# Altium PCB 键盘.PcbDoc (part 3 of 10) (continued)
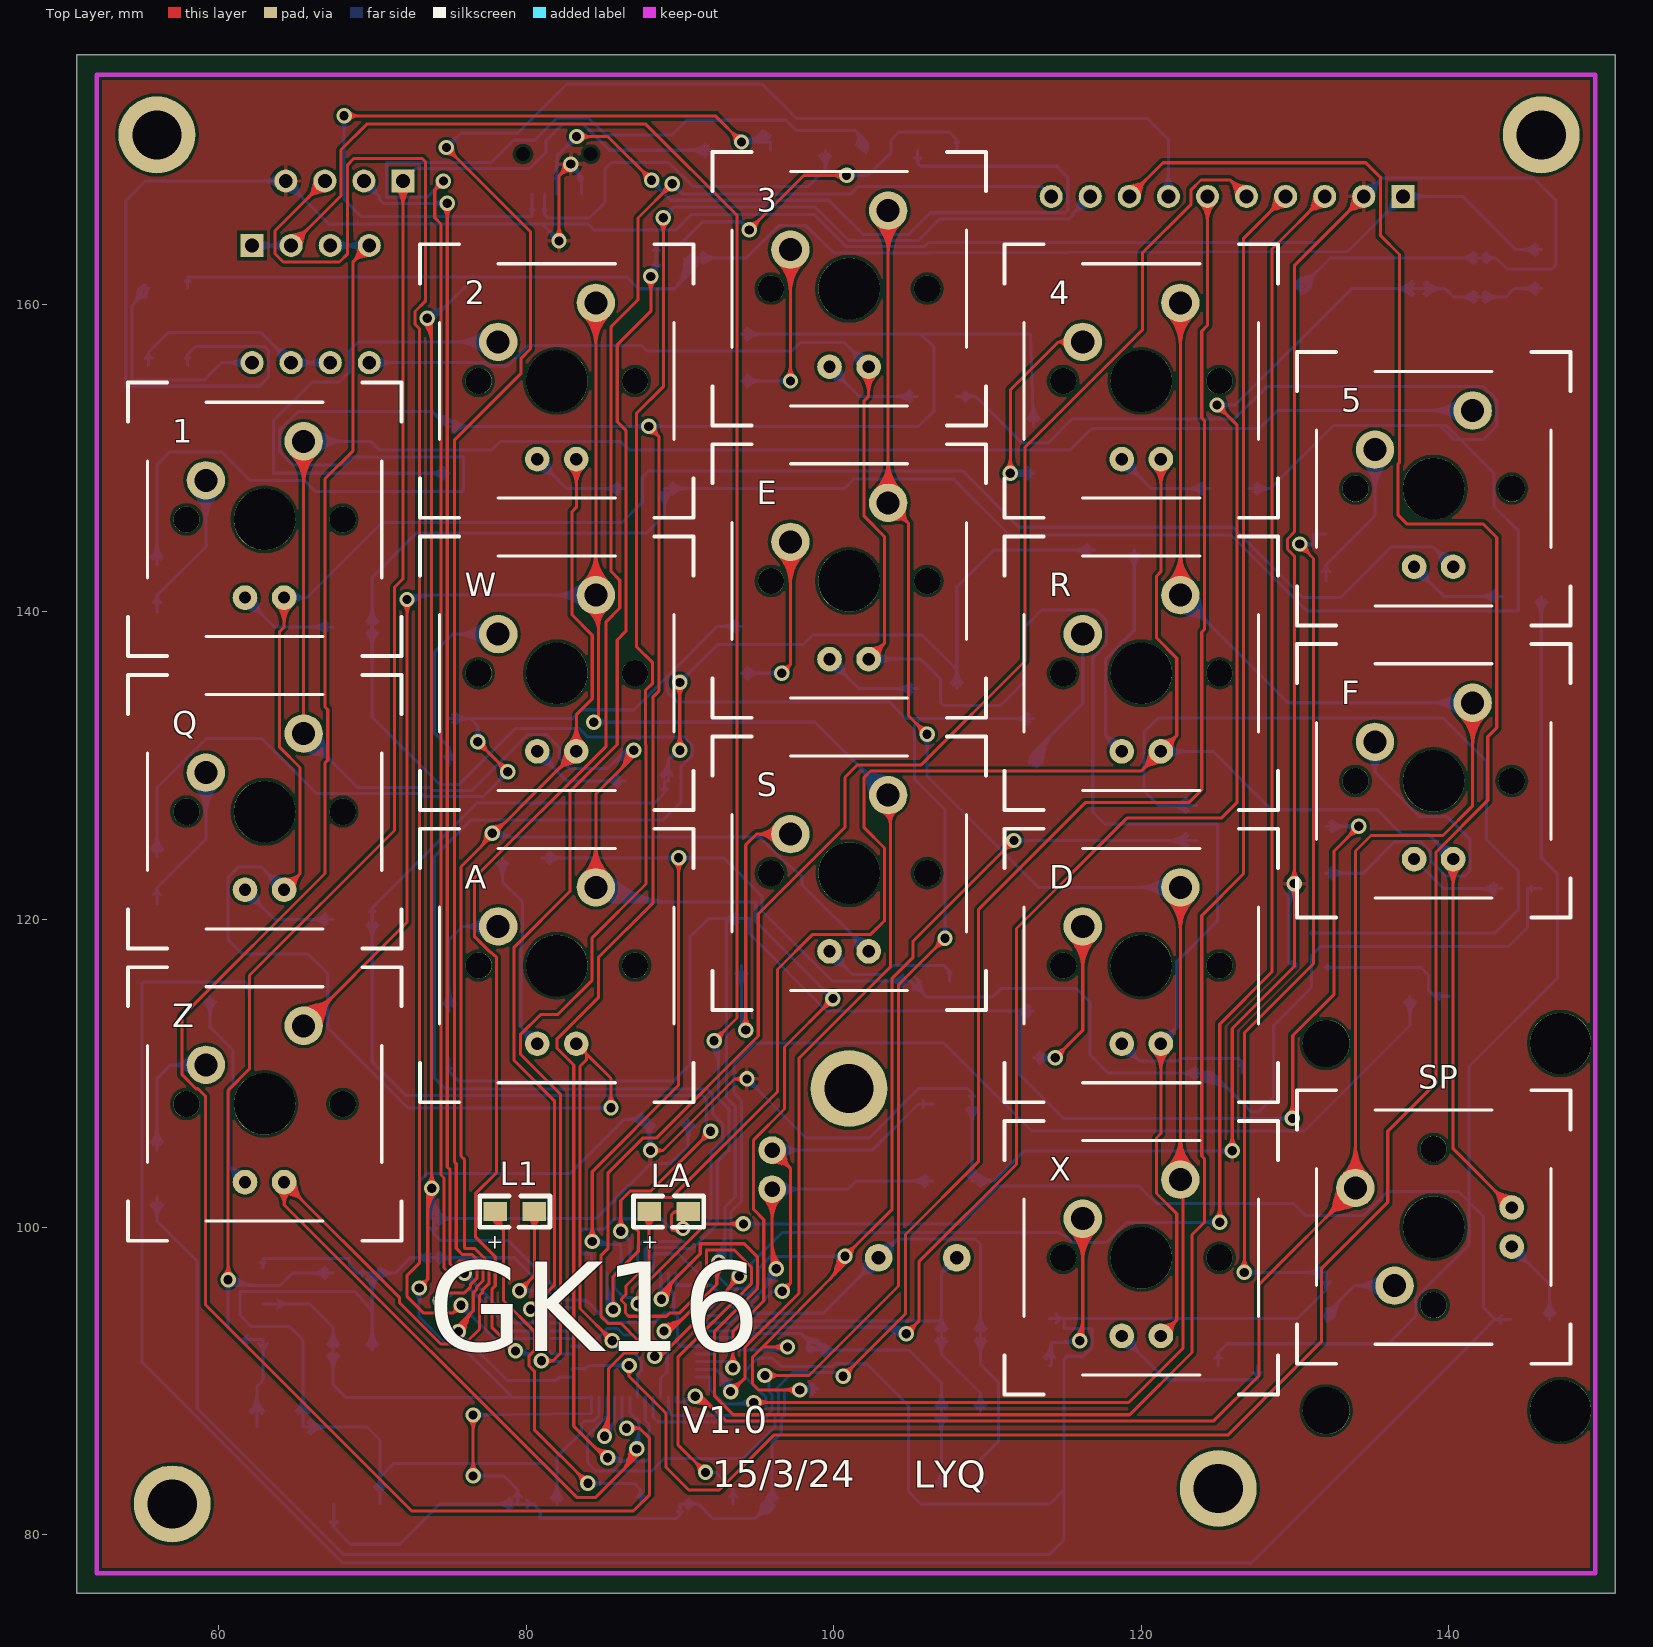
[diagram p0: Top Layer view]
## Nets (pads, with @x,y where several pads share a name; then routed paths per layer and width w, separated by ;. In a path a pad name is that pad's centre, name@x,y a point inside that pad or via, vN(x,y) a via of type N, cw(c..) or ccw(c..) an arc to the next point about the centre after c; other vN are vias at no path point) (continued)
  Bottom Layer w0.2: D7.2@94,136 v1(96.624,136) ; D7.2@94.237,135.763 cw(c94.809,135.191) 94.809,136 ; D7.2@94.237,135.763 cw(c94.809,135.191) 94.809,136 ; D7.2@94.237,135.763 cw(c94.809,135.191) 94.809,136 ; D7.2@94.237,136.237 ccw(c94.809,136.809) 94.809,136 ; D7.2@94.237,136.237 ccw(c94.809,136.809) 94.809,136 ; D7.2@94.237,136.237 ccw(c94.809,136.809) 94.809,136 ; D7.2@94.378,135.622 cw(c95.292,134.708) 95.292,136 ; D7.2@94.378,135.622 cw(c95.292,134.708) 95.292,136 ; D7.2@94.378,135.622 cw(c95.292,134.708) 95.292,136 ; D7.2@94.378,136.378 ccw(c95.292,137.292) 95.292,136 ; D7.2@94.378,136.378 ccw(c95.292,137.292) 95.292,136 ; D7.2@94.378,136.378 ccw(c95.292,137.292) 95.292,136 ; 95.658,136 cw(c95.658,135.034) v1@96.341,135.717 ; 95.658,136 ccw(c95.658,136.966) v1@96.341,136.283 ; 95.658,136 cw(c95.658,135.034) v1@96.341,135.717 ; 95.658,136 ccw(c95.658,136.966) v1@96.341,136.283 ; 95.658,136 cw(c95.658,135.034) v1@96.341,135.717 ; 95.658,136 ccw(c95.658,136.966) v1@96.341,136.283
NetD8_2: D8.2 R.1 | length 54.2
  Bottom Layer w0.2: D8.2@113,130 113,130.861 ; R.1@116.19,138.54 116.19,134.051 113,130.861 ; D8.2@112.735,130.127 cw(c113.867,130.127) 113.066,130.927 ; D8.2@112.735,130.127 cw(c113.867,130.127) 113.066,130.927 ; D8.2@112.735,130.127 cw(c113.867,130.127) 113.066,130.927 ; D8.2@112.836,130.636 ccw(c112.764,130.861) 113,130.861 ; D8.2@112.836,130.636 ccw(c112.764,130.861) 113,130.861 ; D8.2@112.836,130.636 ccw(c112.764,130.861) 113,130.861 ; D8.2@112.872,130.437 ccw(c112.548,131.223) 113.37,131.003 ; D8.2@112.872,130.437 ccw(c112.548,131.223) 113.37,131.003 ; D8.2@112.872,130.437 ccw(c112.548,131.223) 113.37,131.003 ; D8.2@112.928,130.657 ccw(c112.896,130.89) 113.123,130.829 ; D8.2@112.928,130.657 ccw(c112.896,130.89) 113.123,130.829 ; D8.2@112.928,130.657 ccw(c112.896,130.89) 113.123,130.829 ; D8.2@112.935,130.127 cw(c114.55,130.127) 113.408,131.269 ; D8.2@112.935,130.127 cw(c114.55,130.127) 113.408,131.269 ; D8.2@112.935,130.127 cw(c114.55,130.127) 113.408,131.269 ; D8.2@112.936,130.246 ccw(c112.34,131.358) 113.565,131.055 ; D8.2@112.936,130.246 ccw(c112.34,131.358) 113.565,131.055 ; D8.2@112.936,130.246 ccw(c112.34,131.358) 113.565,131.055 ; 113,130.861 ccw(c113.236,130.861) D8.2@113.164,130.636 ; 113,130.861 ccw(c113.236,130.861) D8.2@113.164,130.636 ; 113,130.861 ccw(c113.236,130.861) D8.2@113.164,130.636 ; D8.2@113.031,130.07 ccw(c112.627,130.823) D8.2@113.456,130.618 ; D8.2@113.031,130.07 ccw(c112.627,130.823) D8.2@113.456,130.618 ; D8.2@113.031,130.07 ccw(c112.627,130.823) D8.2@113.456,130.618 ; D8.2@113.036,130.073 ccw(c112.139,131.436) 113.737,131.106 ; D8.2@113.036,130.073 ccw(c112.139,131.436) 113.737,131.106 ; D8.2@113.036,130.073 ccw(c112.139,131.436) 113.737,131.106 ; 113.123,130.829 ccw(c113.303,130.781) D8.2@113.225,130.613 ; 113.123,130.829 ccw(c113.303,130.781) D8.2@113.225,130.613 ; 113.123,130.829 ccw(c113.303,130.781) D8.2@113.225,130.613 ; D8.2@113.135,130.127 cw(c115.232,130.127) 113.749,131.61 ; D8.2@113.135,130.127 cw(c115.232,130.127) 113.749,131.61 ; D8.2@113.135,130.127 cw(c115.232,130.127) 113.749,131.61 ; D8.2@113.146,129.906 ccw(c112.514,130.866) 113.639,130.633 ; D8.2@113.146,129.906 ccw(c112.514,130.866) 113.639,130.633 ; D8.2@113.146,129.906 ccw(c112.514,130.866) 113.639,130.633 ; D8.2@113.335,130.127 cw(c115.915,130.127) 114.091,131.952 ; D8.2@113.335,130.127 cw(c115.915,130.127) 114.091,131.952 ; D8.2@113.335,130.127 cw(c115.915,130.127) 114.091,131.952 ; 113.379,131.037 ccw(c114.196,130.818) D8.2@113.463,130.394 ; 113.379,131.037 ccw(c114.196,130.818) D8.2@113.463,130.394 ; 113.379,131.037 ccw(c114.196,130.818) D8.2@113.463,130.394 ; D8.2@113.535,130.127 cw(c116.598,130.127) 114.432,132.293 ; D8.2@113.535,130.127 cw(c116.598,130.127) 114.432,132.293 ; D8.2@113.535,130.127 cw(c116.598,130.127) 114.432,132.293
NetD10_2: D10.2 S.1 | length 68.4
  Top Layer w0.2: v1(94.285,112.801) 94.285,124.844 94.981,125.54 ; S.1@97.19,125.54 94.981,125.54 ; v1@94.002,113.084 ccw(c93.319,113.767) 94.285,113.767 ; v1@94.002,113.084 ccw(c93.319,113.767) 94.285,113.767 ; v1@94.002,113.084 ccw(c93.319,113.767) 94.285,113.767 ; 94.285,113.767 ccw(c95.25,113.767) v1@94.568,113.084 ; 94.285,113.767 ccw(c95.25,113.767) v1@94.568,113.084 ; 94.285,113.767 ccw(c95.25,113.767) v1@94.568,113.084 ; 94.981,125.54 cw(c94.981,123.994) S.1@96.248,124.881 ; 94.981,125.54 ccw(c94.981,127.086) S.1@96.248,126.199 ; 94.981,125.54 cw(c94.981,123.994) S.1@96.248,124.881 ; 94.981,125.54 ccw(c94.981,127.086) S.1@96.248,126.199 ; 94.981,125.54 cw(c94.981,123.994) S.1@96.248,124.881 ; 94.981,125.54 ccw(c94.981,127.086) S.1@96.248,126.199 ; 95.365,125.54 cw(c95.365,124.263) S.1@96.412,124.995 ; 95.365,125.54 ccw(c95.365,126.817) S.1@96.412,126.085 ; 95.365,125.54 cw(c95.365,124.263) S.1@96.412,124.995 ; 95.365,125.54 ccw(c95.365,126.817) S.1@96.412,126.085 ; 95.365,125.54 cw(c95.365,124.263) S.1@96.412,124.995 ; 95.365,125.54 ccw(c95.365,126.817) S.1@96.412,126.085 ; 95.75,125.54 cw(c95.75,124.532) S.1@96.576,125.11 ; 95.75,125.54 ccw(c95.75,126.548) S.1@96.576,125.97 ; 95.75,125.54 cw(c95.75,124.532) S.1@96.576,125.11 ; 95.75,125.54 ccw(c95.75,126.548) S.1@96.576,125.97 ; 95.75,125.54 cw(c95.75,124.532) S.1@96.576,125.11 ; 95.75,125.54 ccw(c95.75,126.548) S.1@96.576,125.97
  Bottom Layer w0.2: D10.2@94,117 94,113.086 v1(94.285,112.801) ; D10.2@93.622,116.495 cw(c92.708,115.581) 94,115.581 ; D10.2@93.622,116.495 cw(c92.708,115.581) 94,115.581 ; D10.2@93.622,116.495 cw(c92.708,115.581) 94,115.581 ; D10.2@93.763,116.636 cw(c93.191,116.064) 94,116.064 ; D10.2@93.763,116.636 cw(c93.191,116.064) 94,116.064 ; D10.2@93.763,116.636 cw(c93.191,116.064) 94,116.064 ; 94,113.489 ccw(c94.972,113.489) v1(94.285,112.801) ; 94,113.489 ccw(c94.972,113.489) v1(94.285,112.801) ; 94,113.489 ccw(c94.972,113.489) v1(94.285,112.801) ; 94,113.972 ccw(c95.455,113.972) v1@94.426,112.943 ; 94,113.972 ccw(c95.455,113.972) v1@94.426,112.943 ; 94,113.972 ccw(c95.455,113.972) v1@94.426,112.943 ; 94,114.455 ccw(c95.938,114.455) v1@94.568,113.084 ; 94,114.455 ccw(c95.938,114.455) v1@94.568,113.084 ; 94,114.455 ccw(c95.938,114.455) v1@94.568,113.084 ; 94,115.581 cw(c95.292,115.581) D10.2@94.378,116.495 ; 94,115.581 cw(c95.292,115.581) D10.2@94.378,116.495 ; 94,115.581 cw(c95.292,115.581) D10.2@94.378,116.495 ; 94,116.064 cw(c94.809,116.064) D10.2@94.237,116.636 ; 94,116.064 cw(c94.809,116.064) D10.2@94.237,116.636 ; 94,116.064 cw(c94.809,116.064) D10.2@94.237,116.636 ; v1@94.034,113.113 ccw(c93.844,113.348) 94.105,113.499 ; v1@94.034,113.113 ccw(c93.844,113.348) 94.105,113.499 ; v1@94.034,113.113 ccw(c93.844,113.348) 94.105,113.499 ; 94.202,113.33 ccw(c94.468,113.483) v1@94.388,113.188 ; 94.202,113.33 ccw(c94.468,113.483) v1@94.388,113.188 ; 94.202,113.33 ccw(c94.468,113.483) v1@94.388,113.188
NetD11_2: D11.2 D.1 | length 84.1
  Top Layer w0.2: D.1@116.19,119.54 116.19,112.788 v1(114.402,111) ; v1(114.402,111) cw(c115.086,110.86) 114.906,111.535 ; v1(114.402,111) ccw(c114.261,111.685) 114.937,111.504 ; v1(114.402,111) cw(c115.086,110.86) 114.906,111.535 ; v1(114.402,111) ccw(c114.261,111.685) 114.937,111.504 ; v1(114.402,111) cw(c115.086,110.86) 114.906,111.535 ; v1(114.402,111) ccw(c114.261,111.685) 114.937,111.504 ; v1@114.402,111.4 ccw(c114.402,112.366) 115.084,111.683 ; v1@114.402,111.4 ccw(c114.402,112.366) 115.084,111.683 ; v1@114.402,111.4 ccw(c114.402,112.366) 115.084,111.683 ; v1@114.802,111 cw(c115.767,111) 115.084,111.683 ; v1@114.802,111 cw(c115.767,111) 115.084,111.683 ; v1@114.802,111 cw(c115.767,111) 115.084,111.683 ; D.1@115.377,118.727 cw(c113.414,116.764) 116.19,116.764 ; D.1@115.377,118.727 cw(c113.414,116.764) 116.19,116.764 ; D.1@115.377,118.727 cw(c113.414,116.764) 116.19,116.764 ; D.1@115.518,118.868 cw(c113.897,117.247) 116.19,117.247 ; D.1@115.518,118.868 cw(c113.897,117.247) 116.19,117.247 ; D.1@115.518,118.868 cw(c113.897,117.247) 116.19,117.247 ; D.1@115.66,119.01 cw(c114.379,117.729) 116.19,117.729 ; D.1@115.66,119.01 cw(c114.379,117.729) 116.19,117.729 ; D.1@115.66,119.01 cw(c114.379,117.729) 116.19,117.729 ; D.1@115.801,119.151 cw(c114.862,118.212) 116.19,118.212 ; D.1@115.801,119.151 cw(c114.862,118.212) 116.19,118.212 ; D.1@115.801,119.151 cw(c114.862,118.212) 116.19,118.212 ; 116.19,116.764 cw(c118.966,116.764) D.1@117.003,118.727 ; 116.19,116.764 cw(c118.966,116.764) D.1@117.003,118.727 ; 116.19,116.764 cw(c118.966,116.764) D.1@117.003,118.727 ; 116.19,117.247 cw(c118.484,117.247) D.1@116.862,118.868 ; 116.19,117.247 cw(c118.484,117.247) D.1@116.862,118.868 ; 116.19,117.247 cw(c118.484,117.247) D.1@116.862,118.868 ; 116.19,117.729 cw(c118.001,117.729) D.1@116.72,119.01 ; 116.19,117.729 cw(c118.001,117.729) D.1@116.72,119.01 ; 116.19,117.729 cw(c118.001,117.729) D.1@116.72,119.01 ; 116.19,118.212 cw(c117.518,118.212) D.1@116.579,119.151 ; 116.19,118.212 cw(c117.518,118.212) D.1@116.579,119.151 ; 116.19,118.212 cw(c117.518,118.212) D.1@116.579,119.151
  Bottom Layer w0.2: D11.2@113,111 v1(114.402,111) ; D11.2@113.237,110.763 cw(c113.809,110.191) 113.809,111 ; D11.2@113.237,110.763 cw(c113.809,110.191) 113.809,111 ; D11.2@113.237,110.763 cw(c113.809,110.191) 113.809,111 ; D11.2@113.237,111.237 ccw(c113.809,111.809) 113.809,111 ; D11.2@113.237,111.237 ccw(c113.809,111.809) 113.809,111 ; D11.2@113.237,111.237 ccw(c113.809,111.809) 113.809,111 ; D11.2@113.378,110.622 cw(c114.292,109.708) v1@114.292,111 ; D11.2@113.378,110.622 cw(c114.292,109.708) v1@114.292,111 ; D11.2@113.378,110.622 cw(c114.292,109.708) v1@114.292,111 ; D11.2@113.378,111.378 ccw(c114.292,112.292) v1@114.292,111 ; D11.2@113.378,111.378 ccw(c114.292,112.292) v1@114.292,111 ; D11.2@113.378,111.378 ccw(c114.292,112.292) v1@114.292,111 ; D11.2@113.436,111 cw(c113.436,110.034) v1@114.119,110.717 ; D11.2@113.436,111 ccw(c113.436,111.966) v1@114.119,111.283 ; D11.2@113.436,111 cw(c113.436,110.034) v1@114.119,110.717 ; D11.2@113.436,111 ccw(c113.436,111.966) v1@114.119,111.283 ; D11.2@113.436,111 cw(c113.436,110.034) v1@114.119,110.717 ; D11.2@113.436,111 ccw(c113.436,111.966) v1@114.119,111.283 ; 113.693,110.84 cw(c113.804,110.426) v1@114.113,110.723 ; 113.693,110.84 ccw(c113.566,111.317) v1@114.028,111.142 ; 113.693,110.84 cw(c113.804,110.426) v1@114.113,110.723 ; 113.693,110.84 ccw(c113.566,111.317) v1@114.028,111.142 ; 113.693,110.84 cw(c113.804,110.426) v1@114.113,110.723 ; 113.693,110.84 ccw(c113.566,111.317) v1@114.028,111.142 ; 113.693,110.84 cw(c113.804,110.426) v1@114.113,110.723 ; 113.693,110.84 ccw(c113.566,111.317) v1@114.028,111.142 ; 113.693,110.84 cw(c113.804,110.426) v1@114.113,110.723 ; 113.693,110.84 ccw(c113.566,111.317) v1@114.028,111.142 ; 113.693,110.84 cw(c113.804,110.426) v1@114.113,110.723 ; 113.693,110.84 ccw(c113.566,111.317) v1@114.028,111.142 ; 113.693,111.16 cw(c113.566,110.683) v1@114.028,110.858 ; 113.693,111.16 ccw(c113.804,111.574) v1@114.113,111.277 ; 113.693,111.16 cw(c113.566,110.683) v1@114.028,110.858 ; 113.693,111.16 ccw(c113.804,111.574) v1@114.113,111.277 ; 113.693,111.16 cw(c113.566,110.683) v1@114.028,110.858 ; 113.693,111.16 ccw(c113.804,111.574) v1@114.113,111.277 ; 113.693,111.16 cw(c113.566,110.683) v1@114.028,110.858 ; 113.693,111.16 ccw(c113.804,111.574) v1@114.113,111.277 ; 113.693,111.16 cw(c113.566,110.683) v1@114.028,110.858 ; 113.693,111.16 ccw(c113.804,111.574) v1@114.113,111.277 ; 113.693,111.16 cw(c113.566,110.683) v1@114.028,110.858 ; 113.693,111.16 ccw(c113.804,111.574) v1@114.113,111.277
NetD12_2: D12.2 F.1 | length 51.3
  Bottom Layer w0.2: D12.2@132,123 134.417,123 136.461,125.044 138.176,125.044 138.836,124.384 138.836,123.785 139.802,122.82 141.057,122.82 141.376,123.139 141.376,125.171 139.848,126.7 138.047,126.7 135.19,129.557 ; F.1@135.19,131.54 135.19,129.557 ; D12.2@132.237,122.763 cw(c132.809,122.191) 132.809,123 ; D12.2@132.237,122.763 cw(c132.809,122.191) 132.809,123 ; D12.2@132.237,122.763 cw(c132.809,122.191) 132.809,123 ; D12.2@132.237,123.237 ccw(c132.809,123.809) 132.809,123 ; D12.2@132.237,123.237 ccw(c132.809,123.809) 132.809,123 ; D12.2@132.237,123.237 ccw(c132.809,123.809) 132.809,123 ; D12.2@132.378,122.622 cw(c133.292,121.708) 133.292,123 ; D12.2@132.378,122.622 cw(c133.292,121.708) 133.292,123 ; D12.2@132.378,122.622 cw(c133.292,121.708) 133.292,123 ; D12.2@132.378,123.378 ccw(c133.292,124.292) 133.292,123 ; D12.2@132.378,123.378 ccw(c133.292,124.292) 133.292,123 ; D12.2@132.378,123.378 ccw(c133.292,124.292) 133.292,123 ; F.1@134.619,130.542 cw(c134.056,129.557) 135.19,129.557 ; F.1@134.619,130.542 cw(c134.056,129.557) 135.19,129.557 ; F.1@134.619,130.542 cw(c134.056,129.557) 135.19,129.557 ; F.1@134.718,130.715 cw(c134.253,129.902) 135.19,129.902 ; F.1@134.718,130.715 cw(c134.253,129.902) 135.19,129.902 ; F.1@134.718,130.715 cw(c134.253,129.902) 135.19,129.902 ; F.1@134.818,130.889 cw(c134.45,130.247) 135.19,130.247 ; F.1@134.818,130.889 cw(c134.45,130.247) 135.19,130.247 ; F.1@134.818,130.889 cw(c134.45,130.247) 135.19,130.247 ; 135.19,129.557 cw(c136.324,129.557) F.1@135.761,130.542 ; 135.19,129.557 cw(c136.324,129.557) F.1@135.761,130.542 ; 135.19,129.557 cw(c136.324,129.557) F.1@135.761,130.542 ; 135.19,129.902 cw(c136.127,129.902) F.1@135.662,130.715 ; 135.19,129.902 cw(c136.127,129.902) F.1@135.662,130.715 ; 135.19,129.902 cw(c136.127,129.902) F.1@135.662,130.715 ; 135.19,130.247 cw(c135.93,130.247) F.1@135.562,130.889 ; 135.19,130.247 cw(c135.93,130.247) F.1@135.562,130.889 ; 135.19,130.247 cw(c135.93,130.247) F.1@135.562,130.889
NetD14_2: D14.2 Z.1 | length 41.8
  Bottom Layer w0.2: D14.2@56,105 56,109.644 56.896,110.54 ; Z.1@59.19,110.54 56.896,110.54 ; D14.2@55.622,105.505 ccw(c54.708,106.419) 56,106.419 ; D14.2@55.622,105.505 ccw(c54.708,106.419) 56,106.419 ; D14.2@55.622,105.505 ccw(c54.708,106.419) 56,106.419 ; D14.2@55.763,105.364 ccw(c55.191,105.936) 56,105.936 ; D14.2@55.763,105.364 ccw(c55.191,105.936) 56,105.936 ; D14.2@55.763,105.364 ccw(c55.191,105.936) 56,105.936 ; 56,105.936 ccw(c56.809,105.936) D14.2@56.237,105.364 ; 56,105.936 ccw(c56.809,105.936) D14.2@56.237,105.364 ; 56,105.936 ccw(c56.809,105.936) D14.2@56.237,105.364 ; 56,106.419 ccw(c57.292,106.419) D14.2@56.378,105.505 ; 56,106.419 ccw(c57.292,106.419) D14.2@56.378,105.505 ; 56,106.419 ccw(c57.292,106.419) D14.2@56.378,105.505 ; 56.896,110.54 cw(c56.896,108.827) Z.1@58.269,109.852 ; 56.896,110.54 ccw(c56.896,112.253) Z.1@58.269,111.228 ; 56.896,110.54 cw(c56.896,108.827) Z.1@58.269,109.852 ; 56.896,110.54 ccw(c56.896,112.253) Z.1@58.269,111.228 ; 56.896,110.54 cw(c56.896,108.827) Z.1@58.269,109.852 ; 56.896,110.54 ccw(c56.896,112.253) Z.1@58.269,111.228 ; 57.295,110.54 cw(c57.295,109.125) Z.1@58.429,109.972 ; 57.295,110.54 ccw(c57.295,111.955) Z.1@58.429,111.108 ; 57.295,110.54 cw(c57.295,109.125) Z.1@58.429,109.972 ; 57.295,110.54 ccw(c57.295,111.955) Z.1@58.429,111.108 ; 57.295,110.54 cw(c57.295,109.125) Z.1@58.429,109.972 ; 57.295,110.54 ccw(c57.295,111.955) Z.1@58.429,111.108 ; 57.694,110.54 cw(c57.694,109.423) Z.1@58.589,110.091 ; 57.694,110.54 ccw(c57.694,111.657) Z.1@58.589,110.989 ; 57.694,110.54 cw(c57.694,109.423) Z.1@58.589,110.091 ; 57.694,110.54 ccw(c57.694,111.657) Z.1@58.589,110.989 ; 57.694,110.54 cw(c57.694,109.423) Z.1@58.589,110.091 ; 57.694,110.54 ccw(c57.694,111.657) Z.1@58.589,110.989
NetD15_2: D15.2 X.1 | length 72
  Top Layer w0.2: v1@116.19,92.69 X.1@116.19,100.54 ; X.1@115.377,99.727 cw(c113.414,97.764) 116.19,97.764 ; X.1@115.377,99.727 cw(c113.414,97.764) 116.19,97.764 ; X.1@115.377,99.727 cw(c113.414,97.764) 116.19,97.764 ; X.1@115.518,99.868 cw(c113.897,98.247) 116.19,98.247 ; X.1@115.518,99.868 cw(c113.897,98.247) 116.19,98.247 ; X.1@115.518,99.868 cw(c113.897,98.247) 116.19,98.247 ; X.1@115.66,100.01 cw(c114.379,98.729) 116.19,98.729 ; X.1@115.66,100.01 cw(c114.379,98.729) 116.19,98.729 ; X.1@115.66,100.01 cw(c114.379,98.729) 116.19,98.729 ; v1@115.717,92.883 ccw(c114.576,94.024) 116.19,94.024 ; v1@115.717,92.883 ccw(c114.576,94.024) 116.19,94.024 ; v1@115.717,92.883 ccw(c114.576,94.024) 116.19,94.024 ; X.1@115.801,100.151 cw(c114.862,99.212) 116.19,99.212 ; X.1@115.801,100.151 cw(c114.862,99.212) 116.19,99.212 ; X.1@115.801,100.151 cw(c114.862,99.212) 116.19,99.212 ; v1@115.859,92.741 ccw(c115.058,93.542) 116.19,93.542 ; v1@115.859,92.741 ccw(c115.058,93.542) 116.19,93.542 ; v1@115.859,92.741 ccw(c115.058,93.542) 116.19,93.542 ; v1@115.896,92.986 ccw(c115.817,93.282) 116.082,93.129 ; v1@115.896,92.986 ccw(c115.817,93.282) 116.082,93.129 ; v1@115.896,92.986 ccw(c115.817,93.282) 116.082,93.129 ; 116.19,93.107 ccw(c116.507,93.107) v1@116.283,92.883 ; 116.19,93.107 ccw(c116.507,93.107) v1@116.283,92.883 ; 116.19,93.107 ccw(c116.507,93.107) v1@116.283,92.883 ; 116.19,97.764 cw(c118.966,97.764) X.1@117.003,99.727 ; 116.19,97.764 cw(c118.966,97.764) X.1@117.003,99.727 ; 116.19,97.764 cw(c118.966,97.764) X.1@117.003,99.727 ; 116.19,98.247 cw(c118.484,98.247) X.1@116.862,99.868 ; 116.19,98.247 cw(c118.484,98.247) X.1@116.862,99.868 ; 116.19,98.247 cw(c118.484,98.247) X.1@116.862,99.868 ; 116.19,98.729 cw(c118.001,98.729) X.1@116.72,100.01 ; 116.19,98.729 cw(c118.001,98.729) X.1@116.72,100.01 ; 116.19,98.729 cw(c118.001,98.729) X.1@116.72,100.01 ; 116.19,99.212 cw(c117.518,99.212) X.1@116.579,100.151 ; 116.19,99.212 cw(c117.518,99.212) X.1@116.579,100.151 ; 116.19,99.212 cw(c117.518,99.212) X.1@116.579,100.151
  Bottom Layer w0.2: D15.2@114,91 114.148,91 114.148,92.5 ; v1@116,92.5 114.148,92.5 ; D15.2@113.677,91.554 ccw(c112.961,92.5) 114.148,92.5 ; D15.2@113.677,91.554 ccw(c112.961,92.5) 114.148,92.5 ; D15.2@113.677,91.554 ccw(c112.961,92.5) 114.148,92.5 ; D15.2@113.798,91.394 ccw(c113.265,92.098) 114.148,92.098 ; D15.2@113.798,91.394 ccw(c113.265,92.098) 114.148,92.098 ; D15.2@113.798,91.394 ccw(c113.265,92.098) 114.148,92.098 ; 114.148,92.062 ccw(c114.935,92.062) D15.2@114.378,91.505 ; 114.148,92.062 ccw(c114.935,92.062) D15.2@114.378,91.505 ; 114.148,92.062 ccw(c114.935,92.062) D15.2@114.378,91.505 ; 114.793,92.5 ccw(c114.793,93.807) v1@115.717,92.883 ; 114.793,92.5 ccw(c114.793,93.807) v1@115.717,92.883 ; 114.793,92.5 ccw(c114.793,93.807) v1@115.717,92.883 ; 115.276,92.5 cw(c115.276,91.876) v1@115.717,92.317 ; 115.276,92.5 ccw(c115.276,93.324) v1@115.859,92.741 ; 115.276,92.5 cw(c115.276,91.876) v1@115.717,92.317 ; 115.276,92.5 ccw(c115.276,93.324) v1@115.859,92.741 ; 115.276,92.5 cw(c115.276,91.876) v1@115.717,92.317 ; 115.276,92.5 ccw(c115.276,93.324) v1@115.859,92.741
  other v1: 116,92.6
NetD16_2: D16.2 SP.1 | length 56.6
  Bottom Layer w0.2: D16.2@132,94 132,94.337 133.853,96.19 SP.1@136.46,96.19 ; D16.2@131.935,94.13 cw(c132.649,94.096) 132.464,94.786 ; D16.2@131.935,94.13 cw(c132.649,94.096) 132.464,94.786 ; D16.2@131.935,94.13 cw(c132.649,94.096) 132.464,94.786 ; D16.2@131.978,94.26 ccw(c131.875,94.894) D16.2@132.496,94.728 ; D16.2@131.978,94.26 ccw(c131.875,94.894) D16.2@132.496,94.728 ; D16.2@131.978,94.26 ccw(c131.875,94.894) D16.2@132.496,94.728 ; D16.2@132,94.662 ccw(c132,95.448) 132.556,94.892 ; D16.2@132,94.662 ccw(c132,95.448) 132.556,94.892 ; D16.2@132,94.662 ccw(c132,95.448) 132.556,94.892 ; D16.2@132.021,94.065 ccw(c131.676,95.087) 132.717,94.808 ; D16.2@132.021,94.065 ccw(c131.676,95.087) 132.717,94.808 ; D16.2@132.021,94.065 ccw(c131.676,95.087) 132.717,94.808 ; D16.2@132.085,93.876 ccw(c131.819,94.662) D16.2@132.621,94.447 ; D16.2@132.085,93.876 ccw(c131.819,94.662) D16.2@132.621,94.447 ; D16.2@132.085,93.876 ccw(c131.819,94.662) D16.2@132.621,94.447 ; D16.2@132.135,94.127 cw(c132.967,94.127) D16.2@132.379,94.715 ; D16.2@132.135,94.127 cw(c132.967,94.127) D16.2@132.379,94.715 ; D16.2@132.135,94.127 cw(c132.967,94.127) D16.2@132.379,94.715 ; D16.2@132.335,94.127 cw(c133.65,94.127) 132.72,95.057 ; D16.2@132.335,94.127 cw(c133.65,94.127) 132.72,95.057 ; D16.2@132.335,94.127 cw(c133.65,94.127) 132.72,95.057 ; D16.2@132.535,94.127 cw(c134.332,94.127) 133.061,95.398 ; D16.2@132.535,94.127 cw(c134.332,94.127) 133.061,95.398 ; D16.2@132.535,94.127 cw(c134.332,94.127) 133.061,95.398 ; 133.854,96.19 cw(c133.854,93.811) SP.1@135.611,95.415 ; 133.854,96.19 ccw(c133.854,98.569) SP.1@135.611,96.965 ; 133.854,96.19 cw(c133.854,93.811) SP.1@135.611,95.415 ; 133.854,96.19 ccw(c133.854,98.569) SP.1@135.611,96.965 ; 133.854,96.19 cw(c133.854,93.811) SP.1@135.611,95.415 ; 133.854,96.19 ccw(c133.854,98.569) SP.1@135.611,96.965 ; 134.307,96.19 cw(c134.307,94.225) SP.1@135.758,95.55 ; 134.307,96.19 ccw(c134.307,98.155) SP.1@135.758,96.83 ; 134.307,96.19 cw(c134.307,94.225) SP.1@135.758,95.55 ; 134.307,96.19 ccw(c134.307,98.155) SP.1@135.758,96.83 ; 134.307,96.19 cw(c134.307,94.225) SP.1@135.758,95.55 ; 134.307,96.19 ccw(c134.307,98.155) SP.1@135.758,96.83 ; 134.76,96.19 cw(c134.76,94.639) SP.1@135.906,95.684 ; 134.76,96.19 ccw(c134.76,97.741) SP.1@135.906,96.696 ; 134.76,96.19 cw(c134.76,94.639) SP.1@135.906,95.684 ; 134.76,96.19 ccw(c134.76,97.741) SP.1@135.906,96.696 ; 134.76,96.19 cw(c134.76,94.639) SP.1@135.906,95.684 ; 134.76,96.19 ccw(c134.76,97.741) SP.1@135.906,96.696
NetD_A: D.A R11.2 | length 50.7
  Bottom Layer w0.2: D.A@118.73,111.92 119.855,110.795 ; D.A@118.947,111.255 cw(c119.127,110.704) 119.534,111.116 ; D.A@118.95,111.255 cw(c119.129,110.714) 119.534,111.116 ; D.A@119.394,111.699 ccw(c119.931,111.52) 119.534,111.116 ; D.A@119.395,111.703 ccw(c119.946,111.523) 119.534,111.116 ; R11.2@126.54,110 126.54,110.744 ; D.A@118.444,111.83 ccw(c119.448,112.147) 119.22,111.119 ; D.A@118.444,111.83 ccw(c119.448,112.147) 119.22,111.119 ; D.A@118.444,111.83 ccw(c119.448,112.147) 119.22,111.119 ; D.A@118.635,111.89 ccw(c119.83,112.267) 119.558,111.044 ; D.A@118.635,111.89 ccw(c119.83,112.267) 119.558,111.044 ; D.A@118.635,111.89 ccw(c119.83,112.267) 119.558,111.044 ; D.A@118.752,111.42 cw(c118.797,110.38) 119.534,111.116 ; D.A@118.752,111.42 cw(c118.797,110.38) 119.534,111.116 ; D.A@118.752,111.42 cw(c118.797,110.38) 119.534,111.116 ; D.A@118.76,111.221 cw(c118.824,109.764) 119.855,110.795 ; D.A@118.76,111.221 cw(c118.824,109.764) 119.855,110.795 ; D.A@118.76,111.221 cw(c118.824,109.764) 119.855,110.795 ; D.A@118.76,112.015 cw(c118.383,110.82) 119.606,111.092 ; D.A@118.76,112.015 cw(c118.383,110.82) 119.606,111.092 ; D.A@118.76,112.015 cw(c118.383,110.82) 119.606,111.092 ; D.A@118.82,112.206 cw(c118.503,111.202) 119.531,111.43 ; D.A@118.82,112.206 cw(c118.503,111.202) 119.531,111.43 ; D.A@118.82,112.206 cw(c118.503,111.202) 119.531,111.43 ; D.A@118.948,111.255 cw(c119.128,110.708) 119.534,111.116 ; D.A@118.949,111.255 cw(c119.128,110.709) 119.534,111.116 ; D.A@118.948,111.255 cw(c119.128,110.708) 119.534,111.116 ; D.A@118.948,111.255 cw(c119.128,110.708) 119.534,111.116 ; D.A@118.95,111.256 cw(c119.129,110.714) 119.534,111.116 ; D.A@118.951,111.256 cw(c119.13,110.719) 119.534,111.116 ; D.A@118.95,111.256 cw(c119.129,110.714) 119.534,111.116 ; D.A@118.95,111.256 cw(c119.129,110.714) 119.534,111.116 ; D.A@119.23,111.898 ccw(c120.27,111.853) 119.534,111.116 ; D.A@119.23,111.898 ccw(c120.27,111.853) 119.534,111.116 ; D.A@119.23,111.898 ccw(c120.27,111.853) 119.534,111.116 ; D.A@119.394,111.7 ccw(c119.936,111.521) 119.534,111.116 ; D.A@119.395,111.7 ccw(c119.936,111.521) 119.534,111.116 ; D.A@119.394,111.7 ccw(c119.936,111.521) 119.534,111.116 ; D.A@119.394,111.7 ccw(c119.936,111.521) 119.534,111.116 ; D.A@119.395,111.702 ccw(c119.942,111.522) 119.534,111.116 ; D.A@119.395,111.701 ccw(c119.941,111.522) 119.534,111.116 ; D.A@119.395,111.702 ccw(c119.942,111.522) 119.534,111.116 ; D.A@119.395,111.702 ccw(c119.942,111.522) 119.534,111.116 ; D.A@119.429,111.89 ccw(c120.887,111.826) 119.855,110.795 ; D.A@119.429,111.89 ccw(c120.887,111.826) 119.855,110.795 ; D.A@119.429,111.89 ccw(c120.887,111.826) 119.855,110.795 ; 119.855,110.795 122.377,110.795 122.53,110.947 126.337,110.947 126.54,110.744 ; R11.2@126.364,110.495 ccw(c126.275,110.744) 126.54,110.744 ; R11.2@126.364,110.495 ccw(c126.275,110.744) 126.54,110.744 ; R11.2@126.364,110.495 ccw(c126.275,110.744) 126.54,110.744 ; 126.54,110.744 ccw(c126.805,110.744) R11.2@126.716,110.495 ; 126.54,110.744 ccw(c126.805,110.744) R11.2@126.716,110.495 ; 126.54,110.744 ccw(c126.805,110.744) R11.2@126.716,110.495
NetE_A: E.A R7.2 | length 43.9
  Bottom Layer w0.2: E.A@99.73,136.92 101.65,135 R7.2@105.46,135 ; E.A@99.436,136.86 ccw(c100.397,137.057) 100.143,136.109 ; E.A@99.436,136.86 ccw(c100.397,137.057) 100.143,136.109 ; E.A@99.436,136.86 ccw(c100.397,137.057) 100.143,136.109 ; E.A@99.632,136.9 ccw(c100.751,137.129) 100.456,136.026 ; E.A@99.632,136.9 ccw(c100.751,137.129) 100.456,136.026 ; E.A@99.632,136.9 ccw(c100.751,137.129) 100.456,136.026 ; E.A@99.73,136.22 cw(c99.73,134.53) 100.925,135.725 ; E.A@99.73,136.22 cw(c99.73,134.53) 100.925,135.725 ; E.A@99.73,136.22 cw(c99.73,134.53) 100.925,135.725 ; E.A@99.73,136.42 cw(c99.73,135.213) 100.584,136.066 ; E.A@99.73,136.42 cw(c99.73,135.213) 100.584,136.066 ; E.A@99.73,136.42 cw(c99.73,135.213) 100.584,136.066 ; E.A@99.75,137.018 cw(c99.521,135.899) 100.624,136.194 ; E.A@99.75,137.018 cw(c99.521,135.899) 100.624,136.194 ; E.A@99.75,137.018 cw(c99.521,135.899) 100.624,136.194 ; E.A@99.79,137.214 cw(c99.593,136.253) 100.541,136.507 ; E.A@99.79,137.214 cw(c99.593,136.253) 100.541,136.507 ; E.A@99.79,137.214 cw(c99.593,136.253) 100.541,136.507 ; E.A@100.23,136.92 ccw(c101.437,136.92) 100.584,136.066 ; E.A@100.23,136.92 ccw(c101.437,136.92) 100.584,136.066 ; E.A@100.23,136.92 ccw(c101.437,136.92) 100.584,136.066 ; E.A@100.43,136.92 ccw(c102.12,136.92) 100.925,135.725 ; E.A@100.43,136.92 ccw(c102.12,136.92) 100.925,135.725 ; E.A@100.43,136.92 ccw(c102.12,136.92) 100.925,135.725 ; 104.056,135 cw(c104.056,133.733) R7.2@104.952,134.629 ; 104.056,135 ccw(c104.056,136.267) R7.2@104.952,135.371 ; 104.056,135 cw(c104.056,133.733) R7.2@104.952,134.629 ; 104.056,135 ccw(c104.056,136.267) R7.2@104.952,135.371 ; 104.056,135 cw(c104.056,133.733) R7.2@104.952,134.629 ; 104.056,135 ccw(c104.056,136.267) R7.2@104.952,135.371 ; 104.538,135 cw(c104.538,134.215) R7.2@105.093,134.77 ; 104.538,135 ccw(c104.538,135.785) R7.2@105.093,135.23 ; 104.538,135 cw(c104.538,134.215) R7.2@105.093,134.77 ; 104.538,135 ccw(c104.538,135.785) R7.2@105.093,135.23 ; 104.538,135 cw(c104.538,134.215) R7.2@105.093,134.77 ; 104.538,135 ccw(c104.538,135.785) R7.2@105.093,135.23